# KiCad board PC110.kicad_pcb (continued)
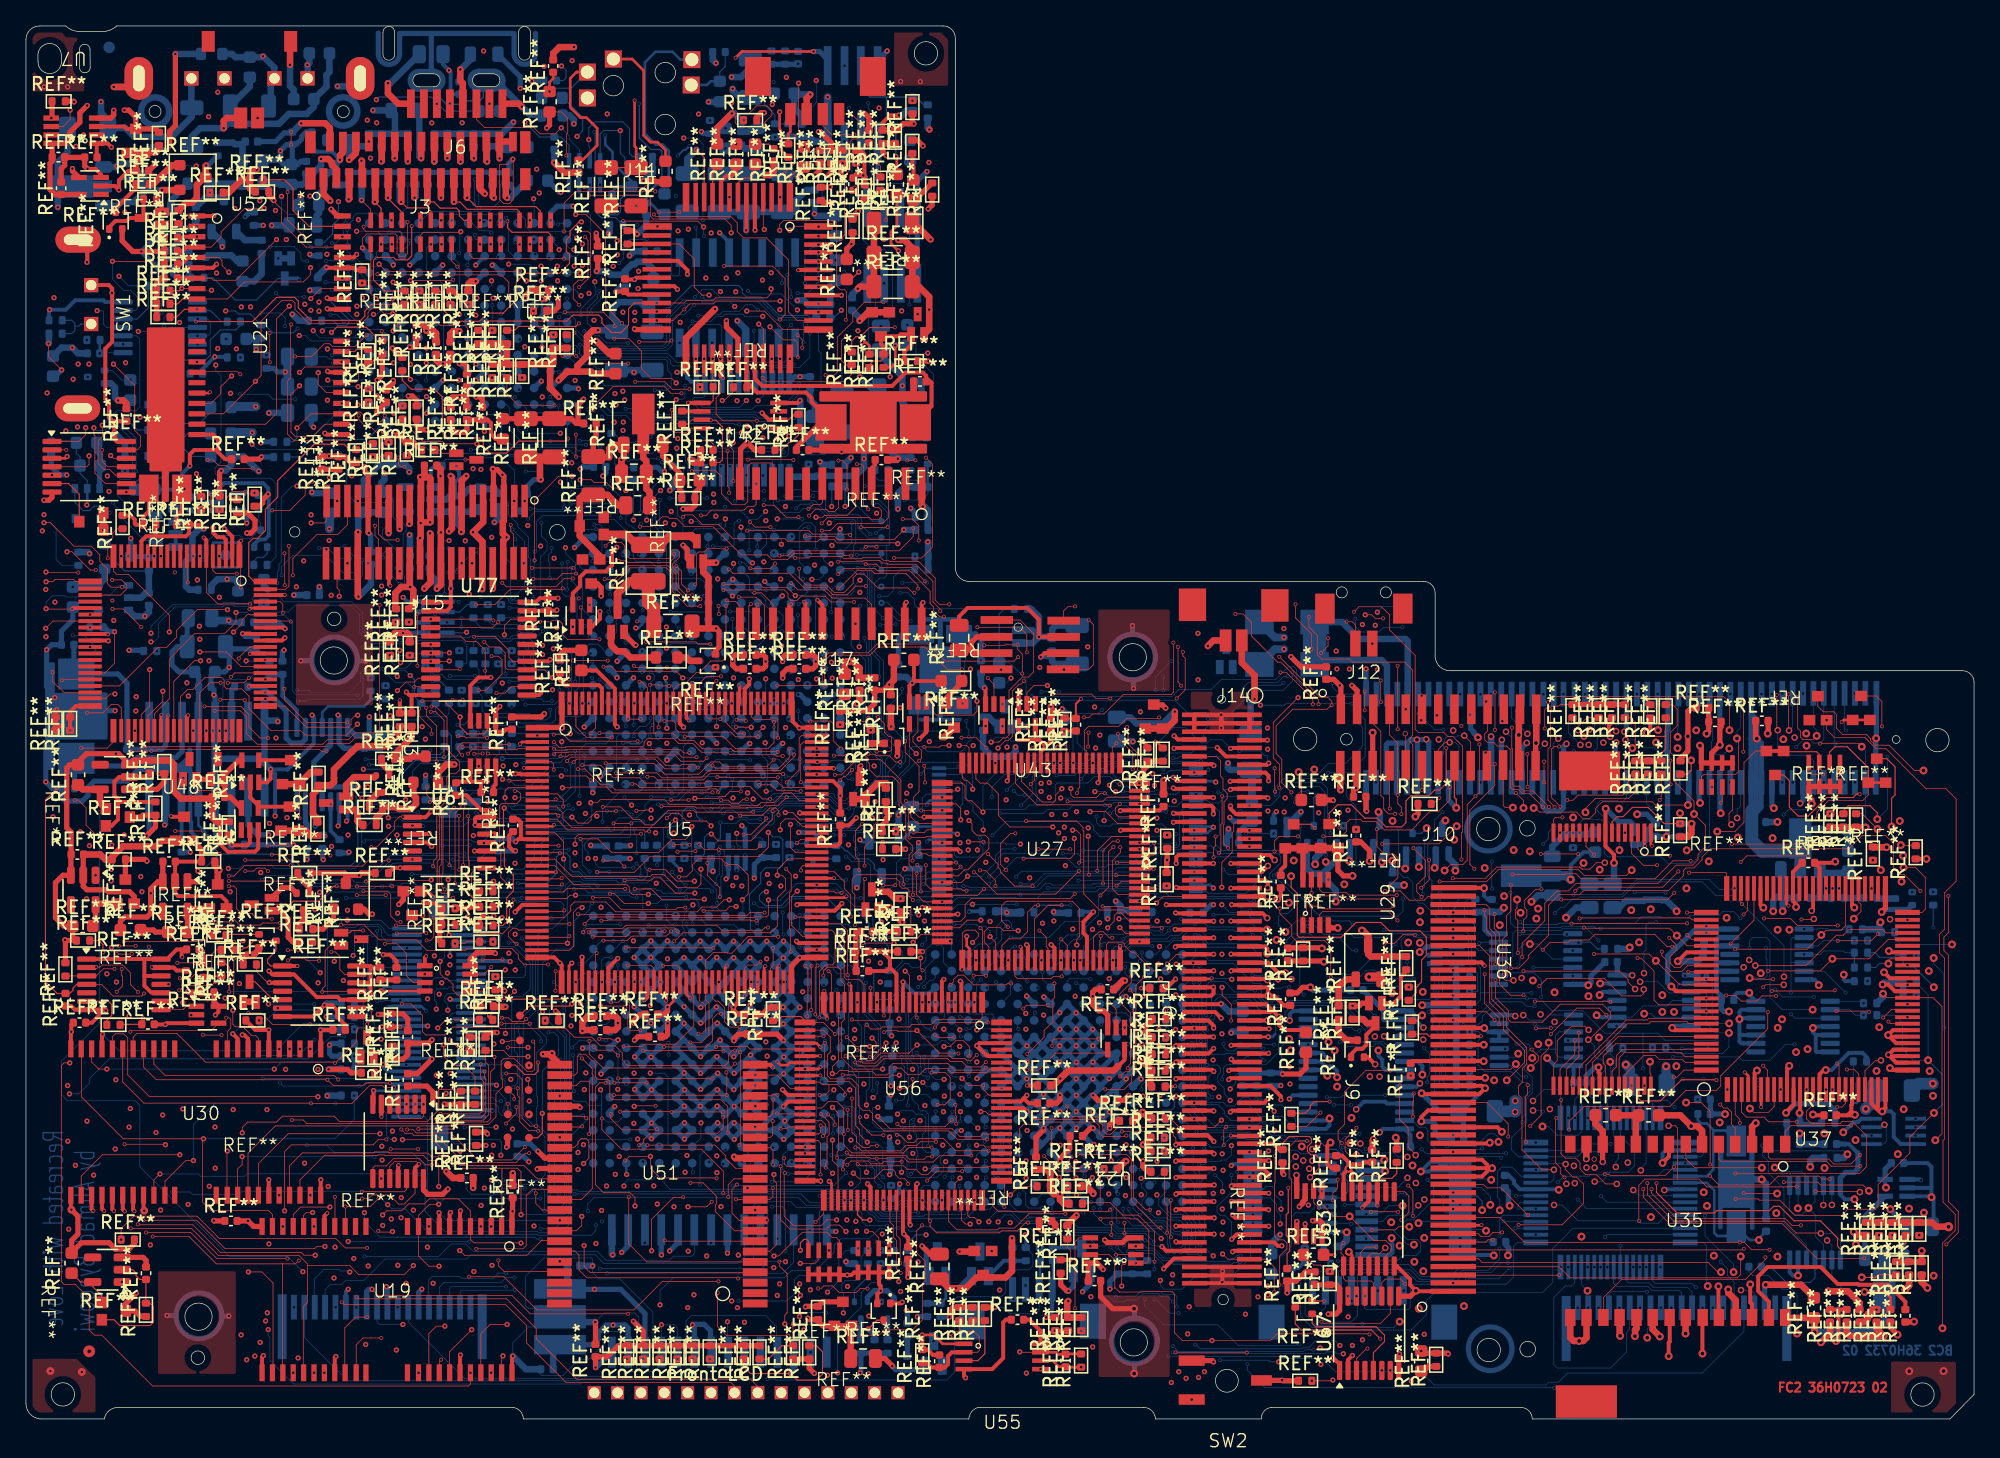
[diagram p0: board, top side]
## Nets (continued)
BWP_IOIS16#: J16.136 REF**#300.1 U25.C9
CS#: U22.2 U25.M4
D171_GPCLK: REF**#60.1 U31.20 U34.22 U34.23
D171_GPDATA: REF**#334.1 U31.21 U34.24 U34.25
D171_INT: REF**#48.1 REF**#128.2 U34.15
D171_P0A0: J7.6 U34.13
D171_P0A1: J7.5 U34.12
D171_P0A2: J7.4 U34.11
D171_P0A3: J7.3 U34.10
D171_P0B0: J7.15 U34.9
D171_P0B1: J7.14 U34.8
D171_P0B2: J7.13 U34.7
D171_P0B3: J7.12 U34.6
D171_P0C2: J7.2 REF**#12.1 U34.3
D171_P0C3: J7.16 REF**#207.1 U34.2
D171_P1A0: J7.18 U34.21
D171_P1A1: J7.8 U34.20
D171_P1A2: J7.17 U34.19
D171_P1A3: J7.7 U34.18
D171_P1B0: REF**#258.1 REF**#289.2 U34.17
D171_RESET#: REF**#319.1 REF**#420.1 REF**#420.3 REF**#421.1 U34.16
D171_Xin: REF**#470.1 U34.27 X4.2
D171_Xout: REF**#722.2 U34.26 X4.1
DPot_Din: U44.3
DPot_DNCin: U5.128 U44.7
DPot_RHigh: REF**#687.1 U44.1
DPot_RWiper: REF**#218.1 U44.6
DPot_UPCin: U5.127 U44.2
FCD_TC: U2.G13 U27.33
FCS_BVD1: J9.42 U37.50
FCS_BVD2: J9.40 U37.49
FCS_C_EXT: REF**#633.1 REF**#686.2 U37.12
FCS_CE1#: J9.13 REF**#584.1 REF**#828.1 U37.37
FCS_CE2#: J9.14 REF**#566.1 REF**#799.1 U37.39
FCS_CS: U35.7 U37.55
FCS_INPACK#: U37.48
FCS_IO0: REF**#793.1 U37.66
FCS_IO1: U37.67
FCS_IO2: U37.68
FCS_IORD#: REF**#546.2 REF**#726.1 U37.42 U39.3
FCS_IOWR#: REF**#593.1 REF**#620.1 U37.43 U39.6
FCS_MA0: U36.20 U37.74
FCS_MA1: U36.19 U37.75
FCS_MA2: U36.18 U37.76
FCS_MA3: U36.17 U37.77
FCS_MA4: U36.16 U37.78
FCS_MA5: U36.15 U37.79
FCS_MA6: U36.14 U37.80
FCS_MA7: U36.13 U37.81
FCS_MA8: U36.3 U37.83
FCS_MA9: U36.2 U37.84
FCS_MA10: U36.31 U37.85
FCS_MA11: U36.1 U37.86
FCS_MA12: U36.12 U37.87
FCS_MA13: U36.4 U37.89
FCS_MA14: U36.5 U37.90
FCS_MA15: U36.11 U37.91
FCS_MD0: U36.21 U37.92
FCS_MD1: U36.22 U37.93
FCS_MD2: U36.23 U37.95
FCS_MD3: U36.25 U37.96
FCS_MD4: U36.26 U37.97
FCS_MD5: U36.27 U37.98
FCS_MD6: U36.28 U37.99
FCS_MD7: U36.29 U37.100
FCS_PD: U35.4 U37.57
FCS_RC_IN: REF**#686.1 U37.11
FCS_REG#: U37.45
FCS_RESET: J9.32 REF**#141.1 REF**#454.4 U14.11 U37.36
FCS_ROMCEL0#: U36.30 U37.71
FCS_ROMOEL#: U36.32 U37.72
FCS_ROMWEL#: REF**#82.2 REF**#243.1 U36.7 U37.73
FCS_SCLK0: U37.54
FCS_SCLK1: U35.5 U37.53
FCS_SI0: U35.1 U37.59
FCS_SI1: U35.2 U37.58
FCS_SO0: U35.13 U37.62
FCS_SO1: U35.17 U37.60
FCS_SO2: U37.69
FCS_SO3: U37.63
FCS_TEST: U37.64
FCS_WE#: U37.41
FCS_WP: U37.52
FDC_ACK#: J8.71 REF**#90.1 U27.60
FDC_AUTOFD#: J8.73 REF**#447.1 U27.74
FDC_BUSY: J8.22 REF**#116.2 U27.59
FDC_CTS1#: J10.6 REF**#430.1 U27.80
FDC_CTS2#: J8.82 REF**#671.2 U27.90
FDC_DCD1#: J10.10 REF**#369.1 U27.83
FDC_DCD2#: J8.17 REF**#455.2 U27.85
FDC_DENSELCT: U27.99
FDC_DIR#: J8.7 U27.5
FDC_DRATE0_MEDIA_ID0: REF**#500.2 U27.17 U28.2
FDC_DRATE1_MEDIA_ID1: REF**#485.2 U27.16 U28.12
FDC_DS0#: J8.5 U27.2
FDC_DS1#: U27.1
FDC_DS3#: U5.123 U27.95
FDC_DSKCHG#: J8.12 REF**#301.2 U27.15
FDC_DSR1B: J10.7 REF**#439.1 U27.78
FDC_DSR2#: J8.84 REF**#790.2 U27.88
FDC_DTR1#: REF**#355.1 REF**#859.9 U27.81
FDC_DTR2#: J8.20 U27.91
FDC_ERROR#: J8.77 REF**#305.1 U27.73
FDC_FDRQ: U27.50
FDC_FINTR: U5.82 U27.38
FDC_HDCS0#: REF**#584.2 U27.23 U40.1
FDC_HDCS1#: U27.24
FDC_HDSEL#: J8.11 U27.9
FDC_IDED7: J9.11 REF**#652.2 U27.20 U37.13
FDC_IDEENHI#: U27.22
FDC_IDEENL0#: U27.21
FDC_INDEX#: J8.4 REF**#388.2 U27.10
FDC_INIT#: J8.72 REF**#130.1 U27.72
FDC_IOW#: REF**#151.4 U27.43
FDC_IRRX_RXD2: REF**#610.1 U27.86 U28.8 U29.3
FDC_IRTX_TXD2: REF**#287.2 U27.87 U28.5 U29.2
FDC_MTR0#: J8.6 U27.100
FDC_MTR1#: U27.3
FDC_MTR2#_PDACK: REF**#462.1 U5.121 U27.94
FDC_MTR3#_PDRQ: U5.117 U27.97
FDC_PD0: J8.30 U27.69
FDC_PD1: J8.29 U27.68
FDC_PD2: J8.28 U27.67
FDC_PD3: J8.27 U27.66
FDC_PD4: J8.26 U27.64
FDC_PD5: J8.25 U27.63
FDC_PD6: J8.76 U27.62
FDC_PD7: J8.24 U27.61
FDC_PE: J8.78 REF**#89.1 U27.58
FDC_RDATA#: J8.91 REF**#673.2 U27.14
FDC_RI1#: J8.81 J10.9 REF**#45.1 REF**#812.1 U27.82 U27.84
FDC_RTS1#: REF**#402.1 REF**#859.5 U27.79
FDC_RTS2#: J8.83 U27.89
FDC_RXD1: J10.4 REF**#316.1 U27.76
FDC_SLCT: J8.23 REF**#399.2 U27.57
FDC_SLCTIN#: J8.74 REF**#49.1 U27.71
FDC_STEP#: J8.94 U27.6
FDC_STROBE#: J8.31 REF**#381.1 U27.75
FDC_TRK0: J8.9 REF**#248.2 U27.11
FDC_TXD1: REF**#359.1 REF**#859.2 U27.77
FDC_WDATA#: J8.8 U27.7
FDC_WGATE#: U27.8
FDC_WRTPRT#: J8.10 REF**#290.1 U27.12
FDC_X1_CLK1: REF**#627.2 U27.18
FDC_X2_CLK2: U27.19
GDR_IO0: REF**#424.1 U21.2 U23.L1
GDR_IO1: REF**#164.2 U21.3 U23.K3
GDR_IO2: REF**#396.2 U21.4 U23.L2
GDR_IO3: REF**#63.2 U21.5 U23.K4
GDR_IO4: REF**#244.2 U21.7 U23.L3
GDR_IO5: REF**#415.2 U21.8 U23.N1
GDR_IO6: REF**#342.2 U21.9 U23.M2
GDR_IO7: U21.10
GDR_IO8: REF**#523.1 U21.31 U23.N2
GDR_IO9: REF**#720.1 U21.32 U23.M3
GDR_IO10: REF**#204.2 U21.33 U23.K5
GDR_IO11: REF**#298.1 U21.34 U23.J5
GDR_IO12: REF**#429.1 U21.36 U23.N3
GDR_IO13: U21.37 U23.M4
GDR_IO14: REF**#583.1 U21.38 U23.L5
GDR_IO15: REF**#26.2 U21.39 U23.N4
GDR_LCAS#: REF**#411.2 U21.29
GDR_RAS#: REF**#376.1 U21.14
GDR_SA0: REF**#741.1 U21.16 U23.G2
GDR_SA1: U21.17 U23.G1
GDR_SA2: U21.18 U23.G3
GDR_SA3: U21.19 U23.G5
GDR_SA4: U21.22 U23.H1
GDR_SA5: REF**#814.1 U21.23 U23.H2
GDR_SA6: U21.24 U23.H5
GDR_SA7: U21.25 U23.H3
GDR_SA8: REF**#715.1 U21.26 U23.J1
GDR_UCAS#: REF**#103.2 U21.28
GDR_WE#: REF**#278.1 U21.13
INTR#: REF**.1 U25.L5
IOCHRDY: J9.34 REF**#552.2 U2.H14 U25.K3 U27.98 U37.47
IOCS16#: J9.47 REF**#599.2 U2.J16 U25.B1 U27.25
IOR#: REF**#499.1 REF**#546.1 REF**#685.2 REF**#815.2 U5.112 U14.7 U25.J3 U27.42 U31.5 U39.1 U41.3 U41.5 U56.86
IOW#: REF**#41.1 REF**#151.2 REF**#510.2 REF**#539.1 REF**#620.2 U5.113 U5.120 U14.8 U25.J2 U27.34 U31.4 U39.4 U56.89
IOW#_Res: U2.J14
IRQ3: REF**#315.2 U5.85 U25.E1 U27.35
IRQ4: REF**#513.2 U5.84 U25.F4 U27.36
IRQ5: REF**#753.2 U5.83 U25.F2 U27.92
IRQ7: REF**#684.2 U5.81 U25.G1 U27.37
IRQ9: REF**#836.2 U5.79 U25.N1
IRQ10: REF**#760.2 U5.78 U25.D5
IRQ11: REF**#522.2 U5.77 U25.B2
IRQ12: U25.B3
IRQ14: J9.24 REF**#664.1 U5.75 U25.B4 U37.46
IRQ15: REF**#723.2 U5.74 U25.C4
JRC_OP1_Nin: REF**#626.1 REF**#681.1 REF**#782.1 U45.2
JRC_OP1_out: U45.1
JRC_OP1_Pin: REF**#218.2 REF**#549.2 REF**#844.2 U45.3
JRC_OP2_Nin: REF**#54.2 REF**#117.2 REF**#140.2 REF**#167.2 REF**#241.2 REF**#380.2 U45.6
JRC_OP2_out: REF**#54.1 REF**#167.1 REF**#687.2 U45.7
JRC_OP2_Pin: U45.5
KB1_0: J4.8 U31.56
KB1_1: J4.7 U31.55
KB1_2: J4.1 U31.54
KB1_3: J4.6 U31.53
KB1_4: J4.2 U31.52
KB1_5: J4.5 U31.51
KB1_6: J4.3 U31.50
KB1_7: J4.4 U31.49
KB2_1: J5.18 U31.33
KB2_2: J5.6 U31.34
KB2_3: J5.17 U31.35
KB2_4: J5.14 U31.36
KB2_5: J5.16 U31.37
KB2_6: J5.9 U31.38
KB2_7: J5.5 U31.39
KB2_8: J5.10 U31.40
KB2_9: J5.8 U31.41
KB2_10: J5.11 U31.42
KB2_11: J5.7 U31.43
KB2_12: J5.12 U31.44
KB2_13: J5.13 U31.45
KB2_14: J5.15 U31.46
KB2_15: J5.20 U31.47
KB2_16: J5.19 U31.48
KB_CAPLED#: U14.4 U31.27
KB_CNTR#: U31.59 U56.61
KB_INT1: J8.14 REF**#335.5 REF**#636.5 U31.17
KB_INT2: J8.15 REF**#335.6 REF**#636.6 U31.16
KB_INT3: J8.86 REF**#335.8 REF**#636.8 U31.13
KB_INT4: J8.87 REF**#335.7 REF**#636.7 U31.12
KB_INT5: REF**#132.2 U31.58
KB_IRQ1: U5.86 U31.15
KB_IRQ12: U5.76 U31.14
KB_KBCSMI: U8.12 U31.32
KB_NUMLED#: U14.3 U31.26
KB_PADLED#: U14.5 U31.28
KB_RESET#: REF**#234.2 REF**#256.1 REF**#256.3 REF**#581.2 U2.N11 U5.48 U31.19 U53.4 U53.10 U56.66 U67.3
KB_RXD: U8.9 U31.11
KB_SCLK: REF**#448.1 U31.9 U77.8
KB_SCRLED#: U5.53 U31.25
KB_SPKDN: U2.T12 U8.16 U31.30 U56.43
KB_SPKUP: REF**#613.3 REF**#796.1 U31.29 U56.44
KB_SRDY#: REF**#23.1 U31.8 U77.7
KB_TP139: U8.14 U31.31
KB_TXD: U14.6 U31.10
KB_Xin: REF**#491.2 REF**#811.2 U31.22
KB_Xout: REF**#491.1 REF**#786.2 U31.23
KBCCS#: U31.6 U56.60
LA17: U2.D13 U25.A4
LA18: U2.C15 U25.C5
LA19: U2.C16 U25.A3
LA20: U2.D14 U25.E6
LA21: U2.E13 U25.A2
LA22: U2.D15 U25.A1
LA23: U2.D16 U25.E5
LCD_24: J3.24 REF**#390.1 REF**#475.1
LCD_26: J3.26 REF**#495.2 REF**#525.1
LCD_B0: J3.8 REF**#84.4 REF**#697.1
LCD_B1: J3.9 REF**#84.3 REF**#849.1
LCD_B2: J3.10 REF**#84.2 REF**#645.1
LCD_B3: J3.11 REF**#84.1 REF**#803.1
LCD_B4: J3.17 REF**#255.4 REF**#781.1
LCD_DCLK: J3.29 REF**#601.2 REF**#777.2
LCD_DE: J3.27
LCD_EN: J3.5 REF**#632.1 REF**#764.1
LCD_G0: J3.18 REF**#255.3 REF**#826.1
LCD_G1: J3.19 REF**#255.2 REF**#792.1
LCD_G2: J3.20 REF**#255.1 REF**#731.1
LCD_G3: J3.12 REF**#312.4 REF**#544.1
LCD_G4: J3.13 REF**#312.3 REF**#456.1
LCD_NC: J3.6 REF**#547.1 REF**#696.1
LCD_O_24: REF**#390.8 U23.A3
LCD_O_B0: REF**#84.5 U23.E8
LCD_O_B1: REF**#84.6 U23.A8
LCD_O_B2: REF**#84.7 U23.B7
LCD_O_B3: REF**#84.8 U23.A7
LCD_O_B4: REF**#255.5 U23.E7
LCD_O_G0: REF**#255.6 U23.A6
LCD_O_G1: REF**#255.7 U23.B6
LCD_O_G2: REF**#255.8 U23.E6
LCD_O_G3: REF**#312.5 U23.C6
LCD_O_G4: REF**#312.6 U23.A5
LCD_O_R0: REF**#312.7 U23.B5
LCD_O_R1: REF**#312.8 U23.D6
LCD_O_R2: REF**#390.5 U23.A4
LCD_O_R3: REF**#390.6 U23.C5
LCD_O_R4: REF**#390.7 U23.B4
LCD_R0: J3.14 REF**#312.2 REF**#784.1
LCD_R1: J3.15 REF**#312.1 REF**#773.1
LCD_R2: J3.21 REF**#390.4 REF**#540.1
LCD_R3: J3.22 REF**#390.3 REF**#737.1
LCD_R4: J3.23 REF**#390.2 REF**#660.1
LCD_VAA: J3.3 REF**#518.1 REF**#598.1 REF**#751.1
LCD_VD3: J3.2 REF**#649.2 REF**#690.1
LCD_VDD: J3.4 REF**#658.1 REF**#659.1 REF**#702.1 REF**#764.2
LCD_VSS: J3.1 J3.7 J3.16 J3.25 J3.28 J3.30 REF**#714.1
M38_COM0: U48.77 U50.14
M38_COM1: U48.76 U50.13
M38_COM2: U48.75 U50.12
M38_COM3: U48.74 U50.11
M38_P20: J15.19 U48.38
M38_P21: J15.39 U48.37
M38_P22: REF**#351.1 REF**#351.2 U8.8 U48.36
M38_P23: REF**#707.1 U48.35
M38_P24: U48.34
M38_P25: U48.33
M38_P26: U48.32
M38_P27: U8.4 U48.31
M38_P40: U48.24
M38_P41: U5.111 U48.23
M38_P42: U48.22
M38_P43: U5.110 U48.21
M38_P44: U14.19 U48.20
M38_P45: REF**#154.1 U48.19
M38_P46: J8.39 REF**#591.2 U48.18
M38_P47: U48.17
M38_P50: REF**#107.2 REF**#294.2 REF**#497.2 U48.16
M38_P51: REF**#443.1 U48.15
M38_P52: J15.18 U48.14
M38_P53: J15.38 U48.13
M38_P54: U48.12
M38_P55: U48.11
M38_P56: U48.10
M38_P57: REF**#502.3 U48.9
M38_P60: J15.1 U48.8
M38_P61: J15.2 U48.7
M38_P62: J17.4 REF**#50.2 U48.6
M38_P63: J15.21 U48.5
M38_P64: J15.27 U48.4
M38_P65: REF**#44.2 REF**#311.2 U48.3 U55.1
M38_P66: REF**#210.2 REF**#325.2 U48.2 U55.7
M38_P67: J8.61 REF**#365.2 U48.1
M38_P70: U48.27
M38_P71: REF**#32.2 REF**#160.3 REF**#346.2 U48.26
M38_RESET: REF**#124.4 REF**#172.1 REF**#209.2 REF**#489.2 REF**#622.1 U48.25
M38_SEG0: U48.70 U50.1
M38_SEG1: U48.69 U50.2
M38_SEG2: U48.68 U50.3
M38_SEG3: U48.67 U50.4
M38_SEG4: U48.66 U50.5
M38_SEG5: U48.65 U50.6
M38_SEG6: U48.64 U50.7
M38_SEG7: U48.63 U50.8
M38_SEG8: U48.62 U50.9
M38_SEG9: U48.61 U50.10
M38_SEG10: U48.60
M38_SEG11: U48.59
M38_SEG12: J8.38 REF**#810.1 U48.58
M38_SEG13: U14.20 U48.57
M38_SEG14: U14.22 U48.56
M38_SEG16: REF**#717.2 U48.54
M38_SEG17: REF**#559.1 U48.53
M38_SEG18: REF**#469.1 U48.52
M38_SEG19: REF**#474.2 U48.51
M38_SEG20: REF**#860.1 U48.50
M38_SEG21: REF**#789.1 U48.49
M38_SEG22: REF**#629.1 U48.48
M38_SEG23: REF**#461.2 U48.47
M38_SEG24: REF**#490.2 U48.46
M38_SEG25: REF**#425.2 U48.45
M38_SEG26: REF**#519.1 U48.44
M38_SEG27: REF**#514.2 U48.43
M38_SEG28: U48.42
M38_SEG29: U8.2 U48.41
M38_SEG30: J8.62 REF**#192.1 REF**#192.2 U48.40
M38_SEG31: REF**#328.3 U48.39
M38_VL1: REF**#162.2 REF**#368.2 U48.80
M38_VL2: REF**#162.1 REF**#257.1 U48.79
M38_VL3: REF**#104.1 REF**#257.2 U48.78
M38_VREF: J15.30 REF**#50.1 REF**#644.2 REF**#724.1 U48.72
M38_Xin: REF**#69.1 REF**#294.1 U48.28
M38_Xout: REF**#357.1 U48.29
M38_Xout_Res: REF**#69.2 REF**#107.1 REF**#357.2
MEMCS16#: REF**#855.2 U2.J13 U5.119 U25.D3
MEMR#: REF**#767.1 U6.24 U25.B5 U51.16
MEMR#_res: REF**#767.2 U2.F13
MEMW#: REF**#185.1 REF**#769.1 U25.D6
OKI-SA8: U51.44
OKI_CE#: U51.14
OKI_SA12: U5.9 U51.40
OKI_SA13: U5.7 U51.39
OKI_SA14: U5.6 U51.38
OKI_SA15: U5.5 U51.37
OKI_SA16: U5.4 U51.36
OKI_SA17: U5.3 U51.5
OKI_SA18: U5.2 U51.4
OKI_SA19: U5.143 U51.45
PNET1: J2.5 J2.14 J2.21 J15.8 J15.28 REF**.2 REF**#6.1 REF**#14.2 REF**#17.2 REF**#21.1 REF**#22.2 REF**#23.2 REF**#25.2 REF**#30.1 REF**#38.2 REF**#40.1 REF**#41.2 REF**#43.2 REF**#55.1 REF**#57.2 REF**#67.1 REF**#71.2 REF**#72.1 REF**#78.1 REF**#79.2 REF**#88.2 REF**#92.1 REF**#95.2 REF**#102.2 REF**#109.2 REF**#111.2 REF**#113.2 REF**#114.1 REF**#115.1 REF**#120.2 REF**#129.2 REF**#134.1 REF**#136.1 REF**#180.2 REF**#183.1 REF**#202.1 REF**#206.2 REF**#211.1 REF**#212.1 REF**#219.1 REF**#232.2 REF**#233.5 REF**#234.1 REF**#240.2 REF**#242.1 REF**#246.2 REF**#247.1 REF**#250.1 REF**#263.5 REF**#266.1 REF**#269.2 REF**#274.1 REF**#277.2 REF**#281.1 REF**#284.2 REF**#297.1 REF**#303.1 REF**#304.1 REF**#320.5 REF**#320.8 REF**#326.2 REF**#327.1 REF**#336.1 REF**#343.2 REF**#345.1 REF**#348.2 REF**#349.2 REF**#354.1 REF**#360.2 REF**#378.2 REF**#382.1 REF**#401.2 REF**#423.1 REF**#437.1 REF**#446.1 REF**#448.2 REF**#452.5 REF**#479.2 REF**#482.2 REF**#483.1 REF**#496.2 REF**#504.1 REF**#509.1 REF**#520.1 REF**#527.2 REF**#529.2 REF**#538.1 REF**#548.2 REF**#556.2 REF**#557.1 REF**#562.1 REF**#571.1 REF**#578.2 REF**#580.2 REF**#582.1 REF**#614.2 REF**#628.1 REF**#630.2 REF**#639.2 REF**#641.2 REF**#643.1 REF**#661.2 REF**#662.2 REF**#678.1 REF**#694.2 REF**#706.2 REF**#711.1 REF**#718.1 REF**#725.1 REF**#735.2 REF**#742.2 REF**#795.5 REF**#795.6 REF**#795.7 REF**#795.8 REF**#802.2 REF**#823.8 REF**#833.2 REF**#842.1 REF**#843.2 REF**#853.15 REF**#853.16 REF**#853.17 REF**#859.13 REF**#859.14 SW2.1 SW2.2 U1.D3 U1.D4 U1.D5 U1.D6 U1.D7 U1.D8 U1.D9 U1.D10 U1.D11 U1.D12 U1.D13 U1.D14 U1.E3 U1.E4 U1.E5 U1.E6 U1.E7 U1.E8 U1.E9 U1.E10 U1.E11 U1.E12 U1.E13 U1.E14 U1.F3 U1.F14 U1.G3 U1.G14 U1.H3 U1.H14 U1.J3 U1.J14 U1.K3 U1.K14 U1.L3 U1.L14 U1.M3 U1.M4 U1.M5 U1.M6 U1.M7 U1.M8 U1.M9 U1.M10 U1.M11 U1.M12 U1.M13 U1.M14 U1.N3 U1.N4 U1.N5 U1.N6 U1.N7 U1.N8 U1.N9 U1.N10 U1.N11 U1.N12 U1.N13 U1.N14 U2.A12 U2.B2 U2.B9 U2.B15 U2.J4 U2.K4 U2.M5 U3.1 U5.1 U5.18 U5.36 U5.37 U5.54 U5.72 U5.73 U5.90 U5.126 U5.144 U9.14 U19.1 U19.6 U19.22 U21.1 U21.6 U21.20 U22.8 U23.B11 U23.C7 U23.E4 U23.E12 U23.G10 U23.K6 U23.K7 U23.M1 U25.D8 U25.K4 U25.N8 U26.1 U27.70 U30.1 U30.6 U30.22 U31.57 U41.14 U53.2 U53.13 U53.14 U56.7 U56.14 U56.38 U56.64 U56.88 U56.95 U56.97 U67.2 U67.16 U77.1 U77.2
PNET2: J8.21 J8.80 REF**#91.1 REF**#222.2 REF**#223.1 REF**#287.1 REF**#292.2 REF**#352.3 REF**#362.1 REF**#688.1 REF**#754.1 REF**#789.2 U61.1 U61.4 U61.10 U61.13 U61.14
PNET3: REF**#12.2 REF**#48.2 REF**#60.2 REF**#207.2 REF**#231.1 REF**#258.2 REF**#334.2 REF**#413.2 REF**#420.2 REF**#421.2 REF**#431.2 U34.1 U34.28
PNET4: J15.3 J15.4 J15.23 REF**#265.2 REF**#451.1 REF**#467.1
PNET4_anode: J8.46 J8.48 REF**#451.2 REF**#467.2
PNET5: F1.2 J8.40 J15.10 J15.11 J15.31 Q1.3 REF**#108.1 REF**#166.1 REF**#189.2 REF**#191.2 REF**#203.14 REF**#215.1 REF**#215.3 REF**#217.1 REF**#221.2 REF**#248.1 REF**#264.2 REF**#272.2 REF**#283.1 REF**#286.1 REF**#290.2 REF**#301.1 REF**#318.8 REF**#328.1 REF**#340.1 REF**#350.1 REF**#350.3 REF**#352.2 REF**#355.2 REF**#359.2 REF**#370.1 REF**#373.2 REF**#384.1 REF**#388.1 REF**#402.2 REF**#407.2 REF**#434.1 REF**#436.2 REF**#441.2 REF**#443.2 REF**#455.1 REF**#485.1 REF**#500.1 REF**#533.2 REF**#592.1 REF**#594.2 REF**#596.1 REF**#610.2 REF**#670.2 REF**#671.1 REF**#673.1 REF**#679.2 REF**#716.2 REF**#758.1 REF**#766.3 REF**#790.1 REF**#807.5 REF**#812.2 REF**#853.1 REF**#853.2 REF**#853.25 REF**#853.30 U14.24 U27.96 U28.14 U29.8 U42.20 U42.27 U54.14
PNET5_F1: F1.1 REF**#488.3 REF**#800.2
PNET5_Q1: F2.2 Q1.2 REF**#553.2
PNET5_Q1_F2: F2.1 J8.16 REF**#335.1 REF**#335.2 REF**#335.3 REF**#335.4 REF**#385.2 REF**#744.1
PNET6: REF**#165.1 REF**#224.2 REF**#344.1 REF**#361.1 REF**#435.1 REF**#442.1 REF**#534.1 REF**#734.1 REF**#805.2 U44.8 U45.8
PNET7: REF**#29.1 REF**#51.1 REF**#52.1 REF**#127.1 REF**#144.5 REF**#144.6 REF**#144.7 REF**#144.8 REF**#185.5 REF**#232.3 REF**#252.1 REF**#260.2 REF**#315.1 REF**#364.1 REF**#445.1 REF**#513.1 REF**#522.1 REF**#552.1 REF**#599.1 REF**#617.1 REF**#664.2 REF**#684.1 REF**#753.1 REF**#760.1 REF**#765.2 REF**#850.1 REF**#855.1 REF**#856.1 U2.F14 U2.M14 U6.30 U6.31 U51.25 U51.35
PNET8: REF**#11.1 REF**#229.1 REF**#328.2 REF**#367.2 REF**#471.1 REF**#821.1 REF**#835.2 U55.8
PNET9: J16.104 J16.105 REF**#139.1 REF**#184.2 REF**#188.1 REF**#213.2 REF**#300.2 REF**#333.2 REF**#417.1 REF**#453.1 REF**#682.2 REF**#838.2 REF**#853.20 U25.E10 U25.H13
PNET10: J16.34 J16.35 REF**#3.1 REF**#135.1 REF**#145.1 REF**#147.1 REF**#158.1 REF**#193.1 REF**#208.1 REF**#220.1 REF**#409.1 REF**#410.1 REF**#853.10 U25.N7 U25.N12
PNET11: REF**#293.2 REF**#296.1
PNET12: F3.1 REF**#159.1 REF**#169.1 REF**#243.2 REF**#550.2 REF**#566.2 REF**#571.2 REF**#587.2 REF**#617.2 REF**#652.1 REF**#695.1 REF**#793.5 REF**#828.2 REF**#830.1 REF**#832.2 U36.8 U37.5 U37.15 U37.38 U37.56 U37.65 U37.88 U39.14 U40.14
PNET12_F3: F3.2 J9.25 J9.26 REF**#170.1 REF**#654.1
PWRGD: REF**#161.2 REF**#595.1 U3.6 U5.47 U22.3 U27.56 U41.12 U56.67 U77.9
PWRGD_shift: REF**#318.1 REF**#618.1 U14.21 U48.55 U77.16
RAM_A0: J2.17 REF**#527.1 REF**#779.1 REF**#817.1 U19.18 U30.18
RAM_A1: J2.18 REF**#639.1 REF**#709.1 U19.19 U30.19
RAM_A2: J2.19 REF**#548.1 REF**#585.1 REF**#820.1 U19.20 U30.20
RAM_A3: J2.20 REF**#545.1 REF**#852.1 U19.21 U30.21
RAM_A4: J2.41 REF**#10.2 REF**#466.1 U19.24 U30.24
RAM_A5: J2.42 REF**#253.2 REF**#683.2 REF**#762.1 U2.D10 U19.25 U30.25
RAM_A6: J2.43 REF**#394.1 REF**#487.1 U19.26 U30.26
RAM_A7: J2.44 REF**#797.1 U19.27 U30.27
RAM_A8: J2.45 REF**#647.1 U19.28 U30.28
RAM_A9: J2.46 REF**#861.1 U19.29 U30.29
RAM_A10: J2.16 REF**#323.2 REF**#683.1 U19.17 U30.17
RAM_A11: J2.15 REF**#240.1 REF**#713.1 U19.16 U30.16
RAM_ID0: J2.60 REF**#349.1 U56.32
RAM_ID1: J2.31 REF**#277.1 U56.31
RAM_IOL0: J2.22 U1.P13 U2.D5 U19.2 U23.B2
RAM_IOL1: J2.23 U1.R16 U2.B4 U19.3 U23.B1
RAM_IOL2: J2.24 U1.P16 U2.A4 U19.4 U23.C2
RAM_IOL3: J2.25 U1.P15 U2.C5 U19.5 U23.E5
RAM_IOL4: J2.27 U2.F6 U19.7 U23.C1
RAM_IOL5: J2.28 U1.N15 U2.B5 U19.8
RAM_IOL6: J2.29 U1.M16 U2.A5 U19.9 U23.E3
RAM_IOL7: J2.30 U1.M15 U2.E6 U19.10 U23.D1
RAM_IOL8: J2.32 U1.L15 U2.C6 U19.35 U23.F4
RAM_IOL9: J2.33 U1.K16 U2.B6 U19.36 U23.E2
RAM_IOL10: J2.34 U1.K15 U2.A6 U19.37 U23.E1
RAM_IOL11: J2.35 U1.J16 U2.D6 U19.38 U23.F3
RAM_IOL12: J2.37 SW1.3 U1.J15 U2.C7 U19.40 U23.F2
RAM_IOL13: J2.38 U1.H16 U2.B7 U19.41 U23.F5
RAM_IOL14: J2.39 U1.H15 U2.A7 U19.42 U23.F1
RAM_IOL15: J2.40 U1.G16 U2.D7 U19.43 U23.G4
RAM_IOU0: J2.1 U1.R7 U2.E2 U23.D13 U30.2
RAM_IOU1: J2.2 U1.P7 U23.F10 U30.3
RAM_IOU2: J2.3 U1.T8 U2.E3 U23.E13 U30.4
RAM_IOU3: J2.4 U1.R8 U2.D1 U23.F11 U30.5
RAM_IOU4: J2.6 U1.P8 U2.D2 U23.F9 U30.7
RAM_IOU5: J2.7 U1.T9 U2.E4 U23.F12 U30.8
RAM_IOU6: J2.8 U1.R9 U2.D3 U23.F13 U30.9
RAM_IOU7: J2.9 U1.P9 U2.C1 U23.G9 U30.10
RAM_IOU8: J2.51 U1.R10 U2.C2 U23.G13 U30.35
RAM_IOU9: J2.52 U1.P10 U2.C3 U23.G12 U30.36
RAM_IOU10: J2.53 U1.R11 U2.B1 U23.H13 U30.37
RAM_IOU11: J2.54 U1.P11 U2.A2 U23.H9 U30.38
RAM_IOU12: J2.56 U1.T12 U2.D4 U23.H12 U30.40
RAM_IOU13: J2.57 U1.R12 U30.41
RAM_IOU14: J2.58 U1.P12 U2.A3 U23.J13 U30.42
RAM_IOU15: J2.59 U1.T13 U2.C4 U23.J12 U30.43
RAM_LCASL#: J2.48 REF**#531.2 REF**#795.3 U19.32
RAM_LCASU#: J2.12 U30.32
RAM_RAS2: J2.11 REF**#214.1 REF**#281.2
RAM_RAS3: J2.49 REF**#330.1 REF**#345.2
RAM_RAS#: REF**#55.2 REF**#181.1 U19.15 U30.15
RAM_UCASL#: J2.47 REF**#20.1 REF**#795.4 U19.31
RAM_UCASU#: J2.13 U30.31
RAM_WE#: J2.50 REF**#148.1 U19.14 U30.14
REFRESH#: U2.E14 U25.H1
RESETDRV: U23.K10 U25.T3 U27.55 U41.11
RIOUT#: REF**#320.6 U25.C8
SA0: J9.39 U2.E15 U5.55 U6.21 U25.F5 U27.26 U37.35 U56.8 U77.11
SA0_shift: REF**#203.12 U42.41 U77.14
SA1: J9.37 U2.E16 U5.56 U6.20 U25.D4 U27.27 U37.34 U42.42 U51.13 U56.9
SA2: J9.35 U5.57 U6.19 U25.C2 U27.28 U31.7 U37.33 U42.43 U51.12 U56.10
SA3: U5.58 U6.18 U25.E4 U27.29 U42.45 U51.11 U56.11
SA4: U5.59 U6.17 U25.G5 U27.30 U42.46 U51.10 U56.12
SA5: U5.60 U6.16 U25.D2 U27.31 U42.47 U51.9 U56.15
SA6: U5.61 U6.15 U25.E3 U27.32 U42.48 U51.8 U56.16
SA7: U5.62 U6.14 U25.E2 U27.39 U42.49 U51.7 U56.17
SA8: U5.63 U6.8 U25.F1 U27.40 U42.50 U51.6 U56.18
SA9: U5.65 U6.7 U25.G4 U27.41 U42.51 U56.19
SA10: U5.66 U6.36 U25.F3 U51.43 U56.20
SA11: U5.67 U6.6 U25.G2 U51.42 U56.21
SA12: REF**#263.1 U5.68 U6.5 U25.G3 U51.41 U56.22
SA13: REF**#263.2 U5.69 U6.4 U25.H2
SA14: U5.70 U6.3 U25.H4 U56.24
SA15: U5.71 U6.2 U25.H3 U56.25
SA16: U2.B16 U6.1 U25.J1
SBHE#: U2.F12 U25.C3
SD0: J9.41 REF**#708.1 U2.L13 U5.96 U6.25 U25.K2 U26.3 U27.46 U31.3 U37.22 U51.17 U56.33
SD1: J9.43 REF**#564.1 U2.L16 U5.95 U6.26 U25.L1 U26.4 U27.47 U31.2 U37.21 U51.19 U56.34
SD2: J9.45 REF**#554.1 U2.L15 U5.94 U6.27 U25.L2 U26.5 U27.48 U31.1 U37.19 U51.21 U56.35
SD3: J9.3 REF**#579.1 U2.L14 U5.93 U6.28 U25.M1 U26.6 U27.49 U31.64 U37.18 U51.23 U56.36
SD4: J9.5 REF**#778.1 U2.L12 U5.92 U6.32 U25.L4 U26.7 U27.51 U31.63 U37.17 U51.26 U56.39
SD5: J9.7 REF**#668.1 U2.M16 U5.91 U6.33 U25.M2 U26.8 U27.52 U31.62 U37.16 U51.28 U56.40
SD6: J9.9 REF**#608.1 U2.M15 U5.89 U6.34 U25.M3 U26.9 U27.53 U31.61 U37.14 U51.30 U56.41
SD7: REF**#816.1 U2.M12 U5.88 U6.35 U25.N2 U26.10 U27.54 U31.60 U51.32 U56.42
SD8: J9.44 U2.N16 U25.A5 U37.9 U51.18
SD9: J9.46 U2.N15 U25.B6 U37.8 U51.20
SD10: J9.48 U2.M13 U25.C6 U37.7 U51.22
SD11: J9.4 U2.N14 U25.A6 U37.6 U51.24
SD12: J9.6 U2.P16 U25.B7 U37.4 U51.27
SD13: J9.8 U2.P15 U25.C7 U37.3 U51.29
SD14: J9.10 U2.P14 U25.A7 U37.2 U51.31
SD15: J9.12 U1.T4 U2.P2 U2.R16 U5.34 U25.B8 U37.1 U51.33
SPKROUT#: REF**#304.2 REF**#638.2 U25.N3
SYSCLK: REF**#635.1 U25.C1
TRKPD_Lclick: J5.4 J7.10 REF**#431.1 U34.4
TRKPD_Rclick: J5.3 J7.11 REF**#413.1 U34.5
VGA_Blue: J8.65 REF**#706.3 REF**#739.1 U23.C10
VGA_Green: J8.67 REF**#536.1 REF**#802.3 U23.A12
VGA_Hsync: J8.36 REF**#149.1 REF**#630.3
VGA_Red: J8.69 REF**#666.1 REF**#843.3 U23.D9
VGA_Vsync: J8.33 REF**#329.1 REF**#833.3
YellowWire1: REF**#721.3
YellowWire1_2: REF**#35.1 REF**#295.1
YMF_AO: REF**#203.11 REF**#288.1 U17.4
YMF_CS#: REF**#203.3 REF**#616.2 U17.7
YMF_D0: REF**#370.2 U17.10 U26.22 U42.23
YMF_D1: REF**#108.2 U17.11 U26.21 U42.24
YMF_D2: REF**#283.2 U17.13 U26.20 U42.25
YMF_D3: REF**#340.2 U17.14 U26.19 U42.28
YMF_D4: U17.15 U26.18 U42.29
YMF_D5: REF**#272.1 U17.16 U26.17 U42.30
YMF_D6: REF**#189.1 U17.17 U26.16 U42.31
YMF_D7: REF**#191.1 U17.18 U26.15 U42.32
YMF_IC#: REF**#47.1 REF**#160.5 REF**#203.1 REF**#203.4 REF**#203.10 REF**#203.13 REF**#251.1 U17.3
YMF_IRQ#: U17.2
YMF_M: REF**#197.2 U17.24
YMF_MO: U17.21 U33.7
YMF_RD#: REF**#203.6 REF**#727.2 U17.6
YMF_SH: U17.20 U33.4
YMF_SY: U17.23 U33.10
YMF_VSS: REF**#7.2 REF**#73.5 REF**#143.1 REF**#228.1 REF**#261.2 REF**#374.1 REF**#400.2 REF**#432.1 REF**#442.2 REF**#459.2 REF**#530.2 REF**#616.1 REF**#665.2 REF**#674.1 REF**#727.1 REF**#809.1 REF**#839.2 U2.T11 U7.8 U17.1 U43.6
YMF_VSS_Res: REF**#156.3 REF**#261.1 U2.P12
YMF_WR#: REF**#203.8 REF**#674.2 U17.5
YMFDAC_2Buff: REF**#34.1 U33.2
YMFDAC_MP: REF**#131.2 REF**#321.2 U33.16
YMFDAC_RB: REF**#282.2 U33.14
YMFDAC_VDD: REF**#321.8 REF**#665.1 REF**#827.1 REF**#858.1 U33.1
YMFDAC_VSS: REF**#321.4 REF**#740.2 REF**#827.2 REF**#858.2 U33.12
ZEROWS#: U2.H15 U25.L3

Pads without a net: J2 61 62; J3 31 32 33 34; J4 9 10; J5 1 21 22; J6 1 2 3 4 5 6 7 8; J7 1 19 20; J8 2 3 13 18 19 32 34 35 37 41 42 43 44 45 47 49 52 53 54 55 56 57 58 59 60 63 79 88 89 90 92 93 95 96 97 98 99; J9 2 18 20 22 28 30 36 38 49 51 52; J10 2 3 5 8 11 12 15 16 17 18 19 20 21 22 23 24 25; J11 1 2 3 4 5; J12 1 2 3 4; J13 1 2 3 4 5 6; J14 3 4; J15 5 6 12 13 14 15 16 17 20 22 24 25 26 33 34 35 36 40; J16 36 37 47 106 107 117; J17 1 3 5 6; Q1 1; REF**#2 1 2; REF**#4 1 2 3 4 5 6 7 8 9 10; REF**#5 1; REF**#7 1 3; REF**#8 1; REF**#9 2; REF**#11 2; REF**#13 1 2; REF**#15 1 2 4 5; REF**#16 1 2 3; REF**#18 1; REF**#19 2; REF**#20 2; REF**#21 2; REF**#22 1; REF**#24 2; REF**#25 1; REF**#27 1 2 4 5; REF**#28 1; REF**#29 2; REF**#30 2; REF**#31 1 2; REF**#32 1; REF**#33 1 2; REF**#34 2; REF**#35 2; REF**#36 1 2; REF**#37 1 2 3 4; REF**#39 1 2; REF**#40 2; REF**#42 2; REF**#44 1; REF**#45 2; REF**#46 2; REF**#47 2 3 4 5; REF**#49 2; REF**#51 2; REF**#52 2; REF**#53 2; REF**#56 1 2; REF**#58 1 2 4 5; REF**#59 1 2; REF**#61 2; REF**#62 2 3; REF**#63 1; REF**#64 1 2; REF**#65 1 2; REF**#66 1 2; REF**#68 1; REF**#69 3; REF**#70 1 2; REF**#72 2; REF**#73 1 2 3 4; REF**#74 1 3; REF**#75 1 2; REF**#76 1; REF**#77 1 2; REF**#80 2; REF**#81 1; REF**#83 2 3; REF**#85 2; REF**#86 1; REF**#87 1; REF**#88 1 3; REF**#89 2; REF**#90 2; REF**#93 1 2 3; REF**#94 1 2; REF**#95 1; REF**#96 1 2; REF**#97 1 2; REF**#98 1; REF**#99 1; REF**#100 1 2; REF**#101 1 2; REF**#103 1; REF**#104 2; REF**#105 1 2 3; REF**#109 1; REF**#110 1; REF**#112 2; REF**#113 1; REF**#115 2; REF**#116 1; REF**#117 1; REF**#118 1; REF**#119 1 2; REF**#121 1 2 3 4 5 6 8 9 10 11 12 13 14; REF**#122 2; REF**#123 1 2 3; REF**#124 1 2 3 5 6 8 9 10 11 12 13 14; REF**#126 2; REF**#127 2; REF**#130 2; REF**#131 1; REF**#132 1; REF**#133 1; REF**#134 2; REF**#137 1 2; REF**#138 1; REF**#140 1; REF**#142 1 2; REF**#144 1 2 3 4; REF**#146 2; REF**#148 2; REF**#149 2; REF**#150 1 2; REF**#151 1 5; REF**#152 2; REF**#153 1 3; REF**#154 2; REF**#155 1 2; REF**#156 1; REF**#157 1 2 3; REF**#160 1 2 4 6 8 9 10 11 12 13 14; REF**#163 1 2; REF**#164 1; REF**#166 2 3; REF**#168 2; REF**#171 1 2; REF**#172 2; REF**#173 1 2 3; REF**#174 2; REF**#175 2; REF**#176 2; REF**#177 1 2 3 4; REF**#178 1 2; REF**#179 1 2; REF**#181 2; REF**#182 1 2; REF**#185 2; REF**#186 1; REF**#187 1 2 3; REF**#190 2 4 5; REF**#193 2; REF**#194 1; REF**#195 1 2 3; REF**#196 1; REF**#197 1; REF**#198 2; REF**#199 1 2; REF**#200 1 2; REF**#201 1 2; REF**#202 2; REF**#203 2 5 9; REF**#205 2; REF**#210 1; REF**#214 2; REF**#215 2; REF**#216 2; REF**#221 1 3; REF**#222 1; REF**#224 1; REF**#225 1 2 3; REF**#226 2; REF**#227 1 2; REF**#228 2; REF**#230 1; REF**#232 1; REF**#233 1 2 4; REF**#235 1 3; REF**#236 2; REF**#237 1; REF**#238 1; REF**#239 2; REF**#241 1; REF**#244 1; REF**#245 1 2; REF**#249 1; REF**#254 1 2 4 5; REF**#256 2; REF**#259 1 2; REF**#260 1; REF**#262 1 2 3; REF**#263 4; REF**#265 1 3; REF**#266 2; REF**#267 1 2 3; REF**#268 1 2; REF**#270 1; REF**#271 1 2 3; REF**#273 1; REF**#274 2; REF**#275 1 2 3; REF**#276 1 2; REF**#278 2; REF**#279 2; REF**#280 1 2; REF**#282 1; REF**#284 1; REF**#285 1 2; REF**#291 1 2; REF**#292 1 3; REF**#293 1; REF**#295 3; REF**#299 1 2; REF**#302 1 2 4 5; REF**#305 2; REF**#306 1; REF**#307 2; REF**#308 1 2 3; REF**#309 2; REF**#310 1 2; REF**#311 1; REF**#313 2; REF**#314 1 2; REF**#316 2; REF**#317 1; REF**#318 2 3 5 6 7; REF**#320 1 2 3 7; REF**#321 1 3 5 6 7; REF**#322 2 3; REF**#324 2; REF**#325 1; REF**#329 2; REF**#330 2; REF**#331 1 2 3; REF**#332 1 2 3; REF**#337 1; REF**#338 1 2 3; REF**#339 1; REF**#341 1 2 3; REF**#342 1; REF**#344 2; REF**#346 1 3; REF**#347 1 2 3; REF**#350 2; REF**#352 1; REF**#353 1; REF**#356 2; REF**#358 1 2; REF**#361 2; REF**#362 2; REF**#363 2; REF**#365 1; REF**#366 1 2; REF**#368 1; REF**#369 2; REF**#371 1 2; REF**#372 1 3; REF**#373 1; REF**#374 2; REF**#375 1 2; REF**#376 2; REF**#377 1; REF**#379 1; REF**#380 1; REF**#381 2; REF**#383 2; REF**#384 2; REF**#386 1; REF**#387 1 2 3; REF**#389 1; REF**#391 2; REF**#392 1 2; REF**#393 2; REF**#395 1; REF**#396 1; REF**#397 1 2 3; REF**#398 1 2; REF**#399 1; REF**#400 1; REF**#404 1 2; REF**#405 2; REF**#406 1 2 3; REF**#407 1 3; REF**#408 1 2; REF**#411 1; REF**#412 1 2; REF**#414 1 2 4 5; REF**#415 1; REF**#416 1 2; REF**#418 1 2 3; REF**#419 1 3; REF**#422 1 2; REF**#423 2; REF**#425 1; REF**#426 1 2; REF**#427 1 2; REF**#428 2 3; REF**#430 2; REF**#433 1 2; REF**#436 1 3; REF**#438 1 2; REF**#439 2; REF**#440 1; REF**#444 1; REF**#447 2; REF**#449 1 2; REF**#450 2; REF**#452 1 2 3 4; REF**#454 1 2 5; REF**#457 1 2; REF**#458 2; REF**#459 1; REF**#460 2; REF**#461 1; REF**#462 2; REF**#463 1; REF**#464 1 2; REF**#466 2; REF**#468 1 2; REF**#469 2; REF**#471 2 3; REF**#472 1 2; REF**#473 1 2; REF**#474 1; REF**#476 1 2; REF**#477 2; REF**#478 1 2; REF**#479 1; REF**#480 2; REF**#481 1; REF**#482 1; REF**#484 1 2; REF**#486 1 2; REF**#487 2; REF**#488 1 2; REF**#489 1; REF**#490 1; REF**#492 1 2; REF**#493 1 2; REF**#494 1 2; REF**#495 1; REF**#498 2; REF**#499 2; REF**#501 1 2; REF**#502 1 2; REF**#503 2; REF**#505 2; REF**#506 1 2; REF**#507 1 2; REF**#508 2; REF**#510 1; REF**#511 1 2; REF**#512 2; REF**#514 1; REF**#515 1; REF**#516 1 2; REF**#517 1 2; REF**#519 2; REF**#524 1 2 3; REF**#526 1 2 3; REF**#528 1 2; REF**#531 1; REF**#532 1 2; REF**#534 2; REF**#535 1 2; REF**#537 1 2; REF**#539 2; REF**#541 1 2; REF**#542 2; REF**#543 1 2; REF**#547 2; REF**#549 1; REF**#551 1 2; REF**#553 1; REF**#554 2; REF**#555 1 2; REF**#557 2; REF**#558 2; REF**#559 2; REF**#560 1 2; REF**#561 1; REF**#562 2; REF**#563 1 2; REF**#564 2; REF**#567 1 2 3; REF**#568 1; REF**#569 1 2; REF**#570 1 2 3; REF**#572 1; REF**#573 1 2; REF**#574 1 2; REF**#575 1; REF**#576 1 2; REF**#577 1 2; REF**#578 1; REF**#579 2; REF**#582 2; REF**#585 2; REF**#586 1; REF**#588 2; REF**#589 1 2 3; REF**#590 1 2; REF**#591 1; REF**#592 2; REF**#593 2; REF**#594 1 3; REF**#597 2; REF**#600 1 2; REF**#602 1 3; REF**#603 2 3; REF**#605 1 3; REF**#606 2; REF**#607 1 2 3; REF**#608 2; REF**#609 1; REF**#611 1 2; REF**#612 1 2 3; REF**#613 1 2; REF**#615 1 2 3; REF**#618 2; REF**#619 1 2; REF**#621 1; REF**#622 2 4 5; REF**#623 2; REF**#624 2; REF**#625 1 2; REF**#626 2; REF**#627 1; REF**#628 2; REF**#629 2; REF**#631 1 2; REF**#633 2; REF**#634 2; REF**#635 2; REF**#636 1 2 3 4; REF**#637 1 2 3 4 5; REF**#638 1; REF**#640 2; REF**#641 1; REF**#642 1; REF**#646 2; REF**#647 2; REF**#648 1 2; REF**#650 1 2; REF**#651 1 2; REF**#653 1 2; REF**#655 1 2; REF**#656 2; REF**#657 1 2 3; REF**#659 2; REF**#663 1 2; REF**#667 2; REF**#668 2; REF**#669 1 2; REF**#672 1 2; REF**#675 1 2 3; REF**#676 1 2; REF**#677 1 2; REF**#679 1; REF**#680 1 2; REF**#681 2; REF**#685 1; REF**#689 1; REF**#690 2; REF**#691 1 2; REF**#692 1 3; REF**#693 1 2 3; REF**#694 1; REF**#698 1 2; REF**#699 1 2; REF**#700 1 2 3; REF**#703 1 2; REF**#704 1; REF**#705 1 2; REF**#707 2; REF**#708 2; REF**#709 2; REF**#710 2; REF**#711 2; REF**#712 1 2; REF**#713 2; REF**#715 2; REF**#716 1; REF**#717 1; REF**#719 2; REF**#721 1; REF**#723 1; REF**#725 2; REF**#726 2; REF**#728 1; REF**#729 1 2; REF**#730 2; REF**#732 1 2 4 5; REF**#733 1 2 3; REF**#736 2; REF**#738 1; REF**#740 1; REF**#741 2; REF**#744 2; REF**#745 1 2; REF**#746 1 3; REF**#747 1 2; REF**#748 1 2; REF**#749 1 2 3; REF**#750 1 2; REF**#751 2; REF**#752 1 2; REF**#755 1; REF**#756 1 2; REF**#757 1 3; REF**#759 1 2; REF**#762 2; REF**#763 2; REF**#766 1 2; REF**#768 1 2; REF**#769 2; REF**#770 1; REF**#771 1 2; REF**#772 1; REF**#774 1 3; REF**#775 2; REF**#776 1; REF**#777 1; REF**#778 2; REF**#780 1 2; REF**#782 2; REF**#783 1 2; REF**#785 2 3; REF**#787 1 2; REF**#788 1; REF**#791 1 2; REF**#793 4; REF**#794 2; REF**#795 1 2; REF**#796 2; REF**#797 2; REF**#798 1 2; REF**#799 2; REF**#800 1; REF**#801 2; REF**#804 2; REF**#806 1 2; REF**#807 1 2 4; REF**#810 2; REF**#813 1 2 3 4 5 6; REF**#814 2; REF**#815 1; REF**#816 2; REF**#817 2; REF**#819 1 2; REF**#821 2 3; REF**#822 1; REF**#823 1 2 3 5 7; REF**#824 1; REF**#825 1 2; REF**#829 3; REF**#831 2; REF**#834 1; REF**#835 1; REF**#836 1; REF**#837 2; REF**#840 1; REF**#841 1 2; REF**#842 2; REF**#845 1; REF**#846 1 2; REF**#848 1 2; REF**#851 1 2; REF**#852 2; REF**#853 7 8 9 11 13 14 18 19 21 22 23 24; REF**#854 1 2; REF**#857 1 2 3; REF**#859 1 3 4 6 8 11 12 U3-Pad1; REF**#860 2; REF**#861 2; SW1 1 2; SW2 3; U1 A1 A2 A3 A4 A5 A6 A7 A8 A9 A10 A11 A12 A13 A14 A15 A16 B1 B2 B3 B4 B5 B6 B7 B8 B9 B10 B11 B12 B13 B14 B15 B16 C1 C2 C3 C4 C5 C6 C7 C8 C9 C10 C11 C12 C13 C14 C15 C16 D1 D2 D15 D16 E1 E2 E15 E16 F1 F2 F15 F16 G1 G2 G15 H1 H2 J1 J2 K1 K2 K12 L1 L2 L16 M1 M2 N1 N2 N16 P1 P2 P3 P4 P5 P6 P14 R1 R2 R3 R4 R5 R6 R13 R14 R15 T1 T2 T3 T5 T6 T7 T10 T11 T14 T15 T16; U2 A1 A8 A9 A10 A11 A13 A14 A15 B3 B8 B10 B11 B12 B13 B14 C9 C11 C12 C13 C14 D8 D9 D11 D12 E1 E5 E7 E8 E9 E10 E11 E12 F1 F2 F3 F4 F5 F7 F8 F9 F10 F15 F16 G1 G2 G3 G4 G5 G6 G7 G8 G9 G10 G11 G12 G14 H1 H2 H3 H4 H5 H6 H7 H8 H9 H10 H11 H12 H13 H16 J1 J2 J3 J5 J6 J7 J8 J9 J10 J11 J12 J15 K1 K2 K3 K5 K6 K7 K8 K9 K10 K11 K12 K13 K16 L1 L2 L3 L4 L5 L6 L7 L8 L9 L10 L11 M1 M2 M3 M4 M6 M7 M8 M9 M10 M11 N1 N2 N3 N4 N5 N6 N7 N8 N9 N10 N12 N13 P1 P3 P4 P5 P6 P7 P9 P10 P11 P13 R1 R2 R3 R4 R5 R6 R7 R8 R9 R10 R11 R12 R13 R14 R15 T2 T3 T4 T5 T6 T7 T8 T9 T10 T13 T14 T15; U3 2 3 8; U5 10 11 12 13 14 15 16 17 19 20 21 22 23 24 25 26 27 29 30 31 32 33 35 38 39 40 41 42 43 45 46 49 50 51 52 87 97 98 99 101 102 103 104 105 106 107 108 109 115 118 122 124 125 129 130 131 132 133 134 135 137 138 139 140 141 142; U6 13 29 37 38; U7 1 2 3 5 6 7; U8 3 5 6 7 11 13 15 17 18 20; U9 2 3 5 6 7 8 9 11 12; U10 1 2 3 4 5 6 7 8 9 10 11 12 13 14; U14 1 2 9 10 14 15 16 17 18; U17 8 9 19 22; U19 11 12 13 33 34; U21 11 12 15 30; U22 1 5 6 7; U23 A1 A2 A9 A10 A11 A13 B8 B9 B12 B13 C3 C4 C8 C9 C11 C12 C13 D2 D4 D5 D8 D10 D11 D12 E9 E10 F6 F7 F8 G6 G7 G8 H4 H6 H7 H8 H11 J2 J3 J6 J7 J8 J9 J10 J11 K1 K2 K8 K9 K11 K12 K13 L4 L6 L8 L9 L10 L12 L13 M5 M6 M7 M8 M9 M10 M11 M12 M13 N5 N6 N7 N8 N9 N10 N11 N12 N13; U26 2 11 14 23 24; U27 13; U28 1 3 4 6 9 10 11 13; U29 1 5 6 7; U30 11 12 13 33 34; U33 3 5 6 8 9 11 13 15; U35 9 10 11 14 20 21 22 23 24 25 26 27 28; U36 6 9 10; U39 2 5 8 11; U40 2 3 6 8 11; U41 1 2 4 6 8 9 10 13; U42 1 2 3 4 5 6 7 8 9 10 11 12 13 14 15 16 17 18 19 21 34 35 36 37 38 39 40 44 52; U43 1 2 3 4 5 8; U48 71; U51 1 2 3 46 47 48; U52 1 3 4 5 6 7 8; U53 1 3 5 6 8 9 11 12; U54 1 2 3 6 8 9 10 11 12 13; U55 2 3 5 6; U56 1 2 3 5 23 26 27 28 29 30 45 46 47 48 49 50 51 52 53 55 56 57 58 59 62 65 68 69 70 71 72 73 74 75 76 77 78 79 80 81 82 83 84 85 90 91 92 93 94 96 98 99 100; U61 2 3 5 6 8 9 11 12; U67 1 4 5 6 7 10 11 12 13 14 15; U77 3 4 5 6 10 15 17 18 19 20 21 22 24; X1 1 2 3 4 5; X2 1
